# Allegro board 1140022-KU060_PCIE_FIBER_BOARD_V001_pcb166_20240120_1835_pcb.brd (continued)
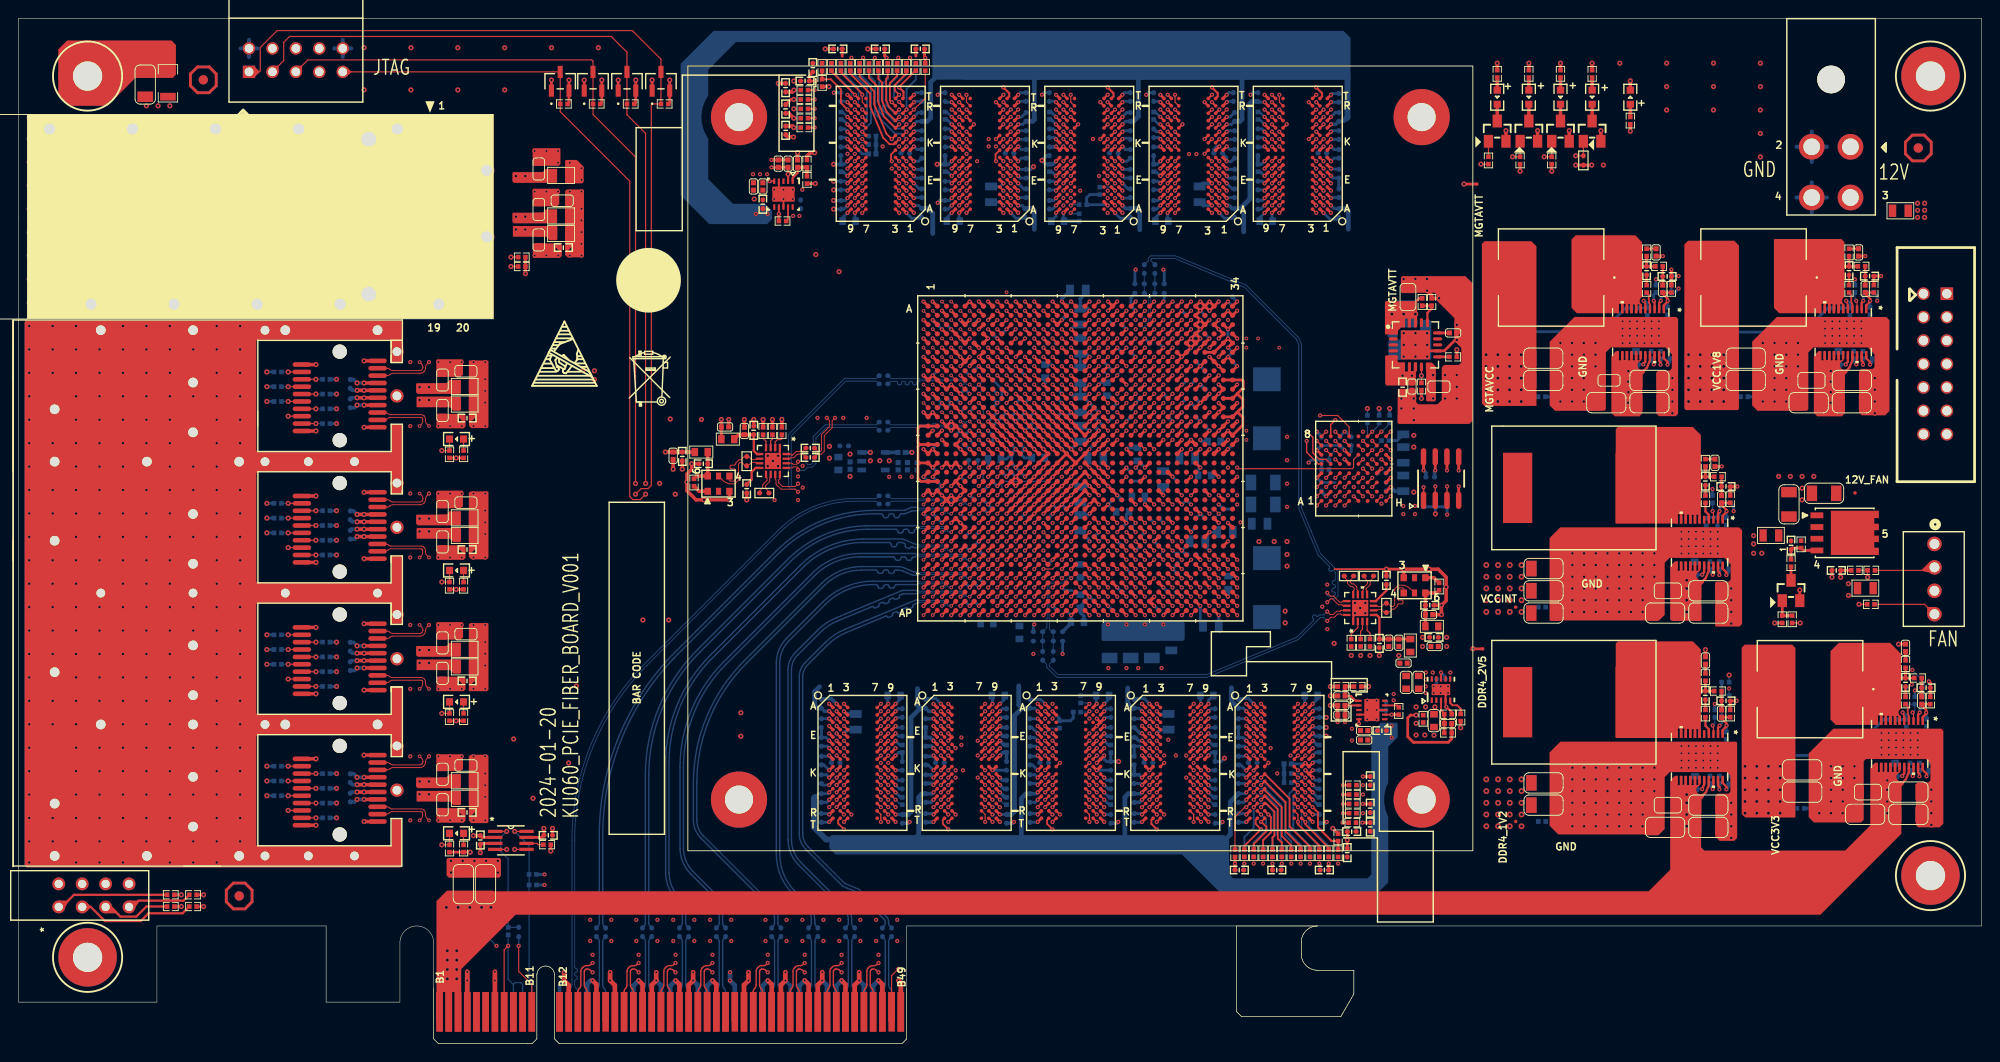
[diagram p0: board, top side]
## Routing (per net, layer and track width the routed paths; a pad name or vN(x,y) marks a point on that pad's centre or on a via; arc(x,y) is an arc through that point) (continued)
  BOTTOM w0.15: C2483.1 93.81,12.7 arc(93.92,12.86) 93.96,13.04 93.96,13.25 arc(93.94,13.35) 93.88,13.43 90.91,16.41 89.36,17.05 85.35,21.06 arc(84.83,21.84) 84.64,22.76 84.64,39.76 arc(84.81,40.61) 85.29,41.32 87.41,43.44 arc(88.45,44.29) 89.64,44.93 97.28,48.1 arc(97.38,48.13) 97.48,48.14
PCIE_VCC3V3: length 20.1
  TOP w0.127: v1(53.09,10.59) 52.65,10.16 U249.B8
  BOTTOM w0.127: R1240.1 v1(53.09,10.59) 53.09,6.97 53.65,6.41 ; 53.65,6.41 U249.A9 ; 53.65,6.41 53.85,6.6 54.5,6.6 54.65,6.45 U249.A10
PCIE_WAKE_N: length 13.4
  TOP w0.127: U154.1 v3(52.92,23)
  BOTTOM w0.127: R1243.2 53.09,12.6 R1240.2 53.09,20.02 52.27,20.83 52.27,22.35 v3(52.92,23)
PCIE_WAKE_N_LS: length 117
  TOP w0.127: U154.4 v3(52.92,21.05)
  TOP w0.155: U1.N23 v1(121.11,68.45)
  ART03 w0.086: v3(52.92,21.05) 54.43,22.56 54.43,64.01 v3(62.43,72.01)
  ART05 w0.086: v1(121.11,68.45) 120.6,68.96 96.14,68.96 93.09,72.01 v3(62.43,72.01)
PCIE_WIDTH_X8: length 52.2
  TOP w0.127: v1(95.39,8.1) 94.65,7.36 U249.B48
  ART10 w0.086: v1(95.39,8.1) 95.39,10.07 94.87,10.59 61.38,10.59 59.6,11.33 52.55,11.33 v1(51.82,10.59)
  BOTTOM w0.127: v1(51.82,10.59) 51.09,11.31 R1238.2
SFP_LED0: length 103.1
  TOP w0.178: U1.AN9 v1(106.11,47.45)
  TOP w0.254: R1260.1 v3(17.65,16.13)
  ART05 w0.178: v1(106.11,47.45) 105.6,47.96 97.16,47.96 96.67,48.16 79.04,48.16 55.83,24.95 52.12,23.41 50.58,21.87 47.55,21.87 46.58,20.9 42.81,20.9 38.82,16.92 18.44,16.92 v3(17.65,16.13)
SFP_LED1: length 101.1
  TOP w0.178: U1.AP9 v1(106.11,46.45)
  TOP w0.254: R1261.1 v3(20.07,14.86)
  ART05 w0.178: v3(20.07,14.86) 39.6,14.86 42.47,17.73 53.59,17.73 82.42,46.56 95.34,46.56 97.55,45.64 105.3,45.64 v1(106.11,46.45)
SFP_LED2: length 103.7
  TOP w0.178: U1.AP8 v1(105.11,46.45)
  TOP w0.254: R1262.1 v3(17.65,14.86)
  ART05 w0.178: v3(17.65,14.86) 18.29,15.49 39.19,15.49 42.87,19.18 53.62,19.18 55.19,20.75 55.19,22.48 79.81,47.09 95.34,47.09 97.98,46 104.66,46 v1(105.11,46.45)
SFP_LED3: length 101.9
  TOP w0.178: U1.AP10 v1(107.11,46.45)
  TOP w0.254: R1263.1 v3(20.07,16.13)
  ART05 w0.178: v1(107.11,46.45) 106.6,46.96 97.13,46.96 95.45,47.65 79.45,47.65 54,22.2 51.92,22.2 51.08,21.36 47.96,21.36 47.02,20.42 43.19,20.42 38.89,16.13 v3(20.07,16.13)
VREG6: length 15.6
  TOP w0.254: U111.18 176.36,73.92 176.14,73.7 v1(176.14,73.64)
  ART03 w0.305: v1(177.51,82.87) 177.69,82.87 179.76,80.8 179.76,75.59 178.74,74.57 176.58,74.57 176.14,74.13 v1(176.14,73.64)
  BOTTOM w0.305: C1216.1 v1(176.14,73.64) ; R610.1 v1(177.51,82.87)
VREG_1: length 15.3
  TOP w0.254: v1(182.52,27.59) 182.74,28.12 U114.18
  ART03 w0.305: v1(183.89,36.82) 184.34,36.82 186.28,34.87 186.28,30.94 184.2,28.85 182.95,28.85 182.52,28.42 v1(182.52,27.59)
  BOTTOM w0.305: v1(182.52,27.59) C1242.1
  BOTTOM w0.381: R637.1 v1(183.89,36.82)
VREG_2: length 17.5
  TOP w0.254: U115.18 198.3,73.92 198.08,73.7 v1(198.08,73.64)
  ART03 w0.305: v1(199.07,82.87) 197.18,80.97 197.18,79.98 197.79,79.38 200.2,79.38 200.81,78.77 200.81,75.51 200.3,75.01 198.73,75.01 198.08,74.36 v1(198.08,73.64)
  BOTTOM w0.305: C1252.1 v1(198.08,73.64)
  BOTTOM w0.381: R645.1 v1(199.07,82.87)
VREG_3: length 16.1
  TOP w0.254: U116.18 204.42,29.29 204.2,29.07 v1(204.2,29)
  ART03 w0.305: v1(205.57,38.29) 206.21,38.29 207.87,36.63 207.87,30.91 206.93,29.97 204.61,29.97 204.2,29.57 v1(204.2,29)
  BOTTOM w0.305: R661.1 v1(205.57,38.29) ; v1(204.2,29) C1262.1
VREG_4: length 17.3
  TOP w0.254: U108.18 182.74,51.11 182.52,50.89 v1(182.52,50.83)
  ART03 w0.305: v1(182.52,50.83) 182.52,51.46 182.82,51.77 184.71,51.77 185.7,52.76 185.7,56.34 185.34,56.69 183.11,56.69 182.68,57.12 182.68,59.11 183.64,60.07 v1(183.64,60.12)
  BOTTOM w0.305: C1190.1 v1(182.52,50.83) ; R587.1 183.63,60.11 v1(183.64,60.12)
N23163314: length 2
  BOTTOM w0.381: R114.2 R113.2 C257.1
N23165016: length 3.7
  TOP w0.229: U8.1 144.95,37.17 144.42,37.7 C243.2
  TOP w0.381: C243.2 R101.2 R103.2
N23165073: length 1.6
  TOP w0.203: U8.9 149.43,36.67 R99.2
N23171960: length 1.5
  TOP w0.127: U3.N9 v1(95.09,26.43)
  BOTTOM w0.127: v1(95.09,26.43) 95.62,25.9 R69.1
N23171980: length 1.5
  TOP w0.305: U3.F9 v1(95.09,32.83)
  BOTTOM w0.305: v1(95.09,32.83) 95.55,32.37 R70.2
N23176531: length 1.5
  TOP w0.155: U4.N9 v1(106.39,26.43)
  BOTTOM w0.127: v1(106.39,26.43) 106.92,25.9 R71.1
N23176551: length 1.5
  TOP w0.305: U4.F9 v1(106.39,32.83)
  BOTTOM w0.381: R72.2 106.85,32.37 v1(106.39,32.83)
N23180885: length 1.5
  TOP w0.155: U5.N9 v1(128.99,26.43)
  BOTTOM w0.155: v1(128.99,26.43) 129.53,25.9 R77.1
N23180905: length 1.5
  TOP w0.305: U5.F9 v1(128.99,32.83)
  BOTTOM w0.305: v1(128.99,32.83) 129.46,32.37 R79.2
N23181582: length 1.5
  TOP w0.305: U7.N9 v1(140.3,26.43)
  BOTTOM w0.305: R109.1 140.83,25.9 v1(140.3,26.43)
N23181602: length 1.5
  TOP w0.305: U7.F9 v1(140.3,32.83)
  BOTTOM w0.305: R111.2 140.76,32.37 v1(140.3,32.83)
N23186587: length 1.5
  TOP w0.155: U6.N9 v1(117.69,26.43)
  BOTTOM w0.305: R76.1 118.22,25.9 v1(117.69,26.43)
N23186607: length 1.5
  TOP w0.305: U6.F9 v1(117.69,32.83)
  BOTTOM w0.305: R78.2 118.16,32.37 v1(117.69,32.83)
N23305495: length 1.3
  TOP w0.127: R179.1 48.25,65.55 DS4.1
N23320159: length 1.8
  TOP w0.381: Q1.3 DS1.2
N23322804: length 3.6
  TOP w0.305: U1.U12 v1(109.11,64.45)
  BOTTOM w0.305: C1.1 v1(109.11,64.45) C3.1 109.06,63.5 L1.2
N23413791: length 1.5
  TOP w0.254: U9.N9 v1(123.78,100.47)
  BOTTOM w0.254: R115.1 123.25,101 v1(123.78,100.47)
N23413831: length 1.5
  TOP w0.381: U9.F9 v1(123.78,94.07)
  BOTTOM w0.305: R116.2 123.31,94.54 v1(123.78,94.07)
N23414482: length 1.5
  TOP w0.201: U10.N9 v1(135.08,100.47)
  BOTTOM w0.254: v1(135.08,100.47) 134.55,101 R117.1
N23414502: length 1.5
  TOP w0.305: U10.F9 v1(135.08,94.07)
  BOTTOM w0.305: R118.2 134.61,94.54 v1(135.08,94.07)
N23419167: length 1.5
  TOP w0.229: U12.N9 v1(112.47,100.47)
  BOTTOM w0.305: R122.1 111.94,101 v1(112.47,100.47)
N23419176: length 1.5
  TOP w0.305: U12.F9 v1(112.47,94.07)
  BOTTOM w0.305: v1(112.47,94.07) 112.01,94.54 R124.2
N23419798: length 1.9
  BOTTOM w0.381: C348.1 R160.2 R159.2
N23421217: length 3.7
  TOP w0.229: U14.1 83.93,93.86 84.46,94.4 C334.2
  TOP w0.381: R150.2 R145.2 C334.2
N23421274: length 1.6
  TOP w0.203: R146.2 83.43,89.38 U14.9
N23421546: length 1.5
  TOP w0.254: U11.N9 v1(89.87,100.47)
  BOTTOM w0.254: v1(89.87,100.47) 89.34,101 R123.1
N23421558: length 1.5
  TOP w0.305: U11.F9 v1(89.87,94.07)
  BOTTOM w0.305: v1(89.87,94.07) 89.4,94.54 R125.2
N23421763: length 1.5
  TOP w0.254: U13.N9 v1(101.17,100.47)
  BOTTOM w0.254: v1(101.17,100.47) 100.64,101 R155.1
N23421783: length 1.5
  TOP w0.155: U13.F9 v1(101.17,94.07)
  BOTTOM w0.305: R157.2 100.7,94.54 v1(101.17,94.07)
N23808049: length 1.4
  TOP w0.155: U1.C29 v1(127.11,78.45)
  BOTTOM w0.155: R59.2 v1(127.11,78.45)
N23808275: length 1.4
  TOP w0.155: U1.J20 v1(118.11,72.45)
  BOTTOM w0.155: R57.1 v1(118.11,72.45)
N23809338: length 1.4
  TOP w0.155: U1.L14 v1(111.11,70.45)
  BOTTOM w0.155: R56.1 v1(111.11,70.45)
N23810094: length 1.4
  TOP w0.155: U1.L10 v1(107.11,69.45)
  BOTTOM w0.155: v1(107.11,69.45) 107.11,69.46 R65.1
N23816746: length 1.4
  TOP w0.155: U1.AA28 v1(126.11,59.45)
  BOTTOM w0.155: R37.2 126.1,59.45 v1(126.11,59.45)
N23867011: length 2.1
  TOP w0.305: U1.A33 v1(131.11,80.45)
  BOTTOM w0.305: R68.1 v1(131.11,80.45) 130.62,79.97 R1283.2
N23867028: length 1.4
  TOP w0.305: U1.A34 v1(132.11,80.45)
  BOTTOM w0.305: R68.2 131.61,80.95 v1(132.11,80.45)
N23894377: length 1.4
  TOP w0.155: U1.J21 v1(119.11,72.45)
  BOTTOM w0.127: R25.1 v1(119.11,72.45)
N23894463: length 1.4
  TOP w0.155: U1.AD13 v1(110.11,56.45)
  BOTTOM w0.127: v1(110.11,56.45) 110.6,56.94 R23.1
N23917644: length 1.4
  TOP w0.155: U1.V24 v1(121.11,62.45)
  BOTTOM w0.155: v1(121.11,62.45) 121.12,62.45 R34.1
N23917846: length 1.4
  TOP w0.155: U1.AA30 v1(127.11,59.45)
  BOTTOM w0.155: R43.1 127.11,59.46 v1(127.11,59.45)
N23941687: length 2.4
  TOP w0.155: U6.E2 v1(111.29,33.63)
  BOTTOM w0.127: v1(111.29,33.63) 111.86,34.19 R73.2
N23941693: length 1.6
  TOP w0.155: U6.B7 v1(116.09,36.03)
  BOTTOM w0.127: R74.1 116,35.94 v1(116.09,36.03)
N23941705: length 1.6
  TOP w0.155: U6.A7 v1(116.09,36.83)
  BOTTOM w0.127: R75.1 115.99,36.93 v1(116.09,36.83)
N23942923: length 1.5
  TOP w0.127: U12.B7 v1(114.07,90.87)
  BOTTOM w0.127: v1(114.07,90.87) 114.16,90.96 R120.1
N23942931: length 1.5
  TOP w0.127: U12.A7 v1(114.07,90.07)
  BOTTOM w0.127: v1(114.07,90.07) 114.17,89.97 R121.1
N23942965: length 2.4
  TOP w0.127: U12.E2 v1(118.87,93.27)
  BOTTOM w0.127: R119.2 117.24,92.87 118.47,92.87 v1(118.87,93.27)
N23968505: length 1.5
  TOP w0.155: U1.AD23 v1(121.11,56.45)
  BOTTOM w0.155: R45.1 120.62,55.96 v1(121.11,56.45)
N23971155: length 1.4
  TOP w0.229: U1.AF19 v1(117.11,54.45)
  BOTTOM w0.155: R46.1 v1(117.11,54.45)
N23979979: length 1.4
  TOP w0.155: U1.A17 v1(114.11,80.45)
  BOTTOM w0.127: v1(114.11,80.45) 113.62,79.97 R58.2
N23983374: length 1.4
  TOP w0.305: U1.A8 v1(105.11,80.45)
  BOTTOM w0.305: v1(105.11,80.45) U1.A8 R66.2
N24009245: length 1.4
  TOP w0.155: U1.AD24 v1(122.11,56.45)
  BOTTOM w0.155: R47.2 v1(122.11,56.45)
N24009981: length 1.4
  TOP w0.155: U1.AP19 v1(117.11,46.45)
  BOTTOM w0.155: R48.2 v1(117.11,46.45)
N24010376: length 1.5
  TOP w0.155: U1.AG26 v1(124.11,53.45)
  BOTTOM w0.155: v1(124.11,53.45) 124.11,53.4 R55.2
N24127214: length 2.7
  TOP w0.254: R881.1 C1188.2
  TOP w0.305: R889.2 C1188.2 182.25,61.46
N24127352: length 2
  TOP w0.254: v1(185.14,50.8) 185.14,51.09 184.74,51.5 U108.22
  BOTTOM w0.254: R581.2 185.4,51.06 v1(185.14,50.8)
N24127394: length 3.9
  TOP w0.254: U108.1 184.74,57.23 185.16,57.65 v1(185.16,57.73) 185.16,57.84 184.62,58.38 C1505.1 R580.2
  BOTTOM w0.254: R584.2 v1(185.16,57.73)
N24127396: length 1.7
  TOP w0.254: U108.21 184.24,51.2 184.38,51.06 v1(184.38,50.8)
  BOTTOM w0.254: R582.2 v1(184.38,50.8)
N24127406: length 1.8
  TOP w0.254: U108.20 183.74,50.91 v1(183.66,50.83)
  BOTTOM w0.254: v1(183.66,50.83) 183.37,51.12 R583.1
N24127447: length 1.1
  TOP w0.254: R585.2 C1188.1
N24179955: length 1.3
  TOP w0.305: C1220.2 U110.15
N24186739: length 3.1
  TOP w0.254: U110.16 152.73,79.23 153.19,79.68 R608.2 R607.2
N24443832: length 2
  TOP w0.254: v1(178.77,73.61) 178.77,73.9 178.36,74.3 U111.22
  BOTTOM w0.254: R602.2 179.02,73.87 v1(178.77,73.61)
N24443868: length 1.7
  TOP w0.254: U111.21 177.86,74.01 178,73.87 v1(178,73.61)
  BOTTOM w0.254: R605.2 v1(178,73.61)
N24443882: length 1.8
  TOP w0.254: v1(177.28,73.64) 177.36,73.72 U111.20
  BOTTOM w0.254: R604.1 176.99,73.92 v1(177.28,73.64)
N24534213: length 5.2
  TOP w0.381: L144.1 C1494.2 C1372.1 X1.6 153.7,48.86 R723.1
N24534304: length 1.7
  TOP w0.381: R723.2 153.45,50.51 X1.1
N24538427: length 6.4
  TOP w0.254: C1377.1 147.52,46.18 147.23,46.47 U129.5
  TOP w0.305: L239.2 C1493.2 C1376.1 C1377.1
N24539124: length 2.5
  TOP w0.254: U129.8 147.13,47.97 148.29,49.12 C1388.2
N24539330: length 2.2
  TOP w0.127: R726.2 144.48,44.4 145.19,45.11 U129.2
N24539481: length 2
  TOP w0.127: U129.3 145.69,44.9 145.49,44.7 R727.2
N24539541: length 2
  TOP w0.127: R728.2 146.51,44.5 146.19,44.82 U129.4
N24541544: length 53.6
  TOP w0.102: U129.14 143.56,47.47 143.46,47.57 143.08,47.57 142.44,48.22 142.23,48.22 v1(141.87,47.86)
  BOTTOM w0.102: v1(141.87,47.86) 142.23,48.22 142.69,48.22 143.04,48.57 143.04,51.22 141.14,53.12 140.11,55.59 139.09,58.06 139.09,75.78 138.78,76.54 133.08,82.24 125.42,85.41 122.74,85.41 122.47,85.14 122.47,84.87 C1380.1
N24541546: length 53.6
  TOP w0.102: v1(141.87,48.87) 142.23,48.51 142.56,48.51 143.2,47.87 143.42,47.87 143.53,47.97 U129.13
  BOTTOM w0.102: v1(141.87,48.87) 141.87,48.61 141.98,48.51 142.57,48.51 142.75,48.69 142.75,48.86 142.65,48.97 142.47,48.97 142.37,49.07 142.37,49.27 142.47,49.37 142.65,49.37 142.75,49.47 142.75,49.68 142.65,49.78 142.52,49.78 142.42,49.88 142.42,50.08 142.52,50.19 142.65,50.19 142.75,50.29 142.75,51.09 142.55,51.29 142.41,51.29 142.33,51.21 142.18,51.21 142.04,51.36 142.04,51.5 142.12,51.58 142.12,51.72 140.89,52.95 138.8,58.01 138.8,75.73 138.53,76.37 132.91,81.99 125.36,85.12 122.86,85.12 122.76,85.01 122.76,84.87 C1382.1
N24541572: length 36.2
  TOP w0.102: U129.16 143.44,46.47 143.34,46.57 143,46.57 142.66,46.23 142.28,46.23 v1(141.87,45.82)
  BOTTOM w0.102: C1378.1 111.45,41.14 111.45,40.81 112.55,39.71 128.85,39.71 138.73,43.8 141.11,46.18 141.51,46.18 v1(141.87,45.82)
N24541574: length 36.3
  TOP w0.102: U129.15 143.36,46.97 143.26,46.87 142.88,46.87 142.53,46.52 142.19,46.52 v1(141.87,46.84)
  BOTTOM w0.102: v1(141.87,46.84) 141.51,46.48 140.99,46.48 140.84,46.33 140.7,46.33 140.56,46.46 140.42,46.46 140.28,46.32 140.28,46.18 140.41,46.04 140.41,45.9 138.57,44.05 128.79,40.01 112.67,40.01 111.75,40.93 111.75,41.14 C1379.1
N24547051: length 10.1
  TOP w0.102: U1.AB6 v2(103.11,58.45)
  BOTTOM w0.084: v2(103.11,58.45) 102.78,58.45 arc(102.73,58.48) 102.7,58.54 102.7,58.77 arc(102.62,58.96) 102.43,59.04 97.6,59.04 97.55,59.09 97.53,59.09
  BOTTOM w0.102: C70.1 94.4,59.24 arc(94.56,59.13) 94.75,59.09 97.53,59.09
N24547053: length 9.8
  TOP w0.102: U1.AB5 v2(102.11,58.45)
  BOTTOM w0.084: 97.53,58.8 97.55,58.8 97.6,58.85 102.43,58.85 arc(102.49,58.83) 102.52,58.77 102.52,58.54 arc(102.49,58.48) 102.43,58.45 v2(102.11,58.45)
  BOTTOM w0.102: 97.53,58.8 94.74,58.8 arc(94.55,58.76) 94.4,58.66 C72.1
N24596381: length 2.1
  TOP w0.155: U2.C6 v1(142.75,64.34)
  BOTTOM w0.127: v1(142.75,64.34) 142.06,63.65 R29.2
N24600214: length 2.9
  TOP w0.155: U2.F7 v1(145.75,65.34)
  BOTTOM w0.127: v1(145.75,65.34) 146.23,65.82 R31.1
N24600788: length 10.6
  TOP w0.305: U2.A6 v1(140.75,64.34) ; U2.D5 v1(143.75,63.34) ; U2.G4 v1(147.75,62.34) ; U2.D6 v1(143.75,64.34) ; U2.H3 v1(148.75,61.34) ; U2.A4 v1(140.75,61.34)
  BOTTOM w0.254: C23.1 142.75,60.84 ; C20.1 C22.1
  BOTTOM w0.305: C23.1 v1(140.75,61.34) ; 144.48,64.15 C21.1
  BOTTOM w0.381: C22.1 v1(140.75,64.34) ; C20.1 v1(143.75,64.34)
N24609613: length 0.7
  TOP w0.155: U1.H27 v1(125.11,73.45)
N24609632: length 0.7
  TOP w0.155: U1.G27 v1(125.11,74.45)
N24657281: length 2.6
  TOP w0.254: C1407.2 79.48,61.16 79.48,61.98 79.92,62.42 U131.8
N24657408: length 2.5
  TOP w0.102: C1395.1 84.99,64.2 84.31,64.2 83.92,63.81 83.79,63.81 83.68,63.92 U131.16
N24657423: length 2.5
  TOP w0.102: U131.15 83.63,63.42 83.74,63.52 84.04,63.52 84.43,63.91 84.99,63.91 C1396.1
N25142150: length 1.4
  TOP w0.381: DS1.1 R9.2
N25143762: length 1.4
  TOP w0.155: U1.AC29 v1(127.11,57.45)
  BOTTOM w0.127: v1(127.11,57.45) 126.62,57.94 R44.2
N25147054: length 1.4
  TOP w0.155: U1.AG27 v1(125.11,53.45)
  BOTTOM w0.155: R54.1 125.52,53.04 v1(125.11,53.45)
N25650779: length 1.4
  TOP w0.381: DS9.1 R626.2
N25650781: length 1.8
  TOP w0.381: Q19.3 DS9.2
N25659786: length 3.7
  TOP w0.203: U117.3 154.2,36.17 154.57,35.81 R670.1
  TOP w0.254: R670.1 C1277.1 R667.2
N25659816: length 1.6
  TOP w0.203: U117.8 v1(154.2,40.23)
  BOTTOM w0.305: C1281.1 154.68,39.76 v1(154.2,40.23)
N25659818: length 2.2
  TOP w0.203: U117.5 155.2,36.93 155.46,36.68 155.96,36.68 156.34,36.3 R664.2
N25669571: length 2
  TOP w0.254: v1(185.14,27.56) 185.14,27.85 184.74,28.25 U114.22
  BOTTOM w0.254: R632.2 185.4,27.82 v1(185.14,27.56)
N25669597: length 1.7
  TOP w0.254: U114.21 184.24,27.96 184.38,27.82 v1(184.38,27.56)
  BOTTOM w0.254: R633.2 v1(184.38,27.56)
N25669599: length 1.8
  TOP w0.254: U114.20 183.74,27.67 v1(183.66,27.59)
  BOTTOM w0.254: R634.1 183.37,27.87 v1(183.66,27.59)
N26123241: length 1.4
  TOP w0.155: U1.AM9 v1(106.11,48.45)
  BOTTOM w0.127: v1(106.11,48.45) 105.6,47.94 R24.1
N26191690: length 1.4
  TOP w0.381: DS2.1 R35.2
N26191701: length 1.8
  TOP w0.381: Q2.3 DS2.2
N26192286: length 1.4
  TOP w0.381: DS3.1 R36.2
N26192301: length 1.8
  TOP w0.381: DS3.2 Q3.3
N26632533: length 1.7
  TOP w0.127: Q19.1 R628.1
N26902768: length 6.6
  TOP w0.127: R251.2 207.37,51.31 J63.2
N26903299: length 6.9
  TOP w0.127: R778.2 206.63,47.62 J63.4
N27279036: length 4.8
  ART12 w0.381: v3(90.14,61.49) 90.14,62.43 91.81,64.09 v3(92.35,64.09)
  BOTTOM w0.381: U329.3 v3(92.35,64.09)
N27384140: length 2
  TOP w0.254: C1505.2 C1506.1 R881.2
N27389672: length 2.7
  TOP w0.254: R894.1 C1522.2
  TOP w0.305: 182.25,38.22 C1522.2 R915.2
N27389694: length 3.9
  TOP w0.254: R631.2 C1524.1 184.62,35.24 185.16,34.71 v1(185.16,34.49) 185.16,34.41 184.74,33.99 U114.1
  BOTTOM w0.254: R892.2 v1(185.16,34.49)
N27389709: length 2
  TOP w0.254: R894.2 C1523.1 C1524.2
N27389809: length 1.1
  TOP w0.254: R895.2 C1522.1
N27394308: length 2.7
  TOP w0.254: C1546.2 R911.1
  TOP w0.305: R926.2 C1546.2 175.87,84.27
N27394322: length 3.9
  TOP w0.254: U111.1 178.36,80.04 178.78,80.46 v1(178.78,80.54) 178.78,80.76 178.24,81.29 C1548.1 R601.1
  BOTTOM w0.254: R910.2 v1(178.78,80.54)
N27394332: length 2
  TOP w0.254: R911.2 C1547.1 C1548.2
N27394426: length 1.1
  TOP w0.254: R919.1 C1546.1
N27588953: length 28.6
  TOP w0.155: U1.AE27 v1(124.11,55.45)
  ART03 w0.086: v1(150.11,57.4) 147.28,54.57 141.5,54.57 136.12,55.64 135.3,55.98 129.9,55.98 129.54,56.34 125.68,56.34 125.22,55.88 124.54,55.88 v1(124.11,55.45)
N27588956: length 29.8
  TOP w0.155: U1.AF27 v1(125.11,54.45)
  ART03 w0.086: v1(151.38,57.4) 151.38,57.05 148.23,53.89 135.87,53.89 135.51,54.26 135.51,54.7 134.88,55.32 130,55.32 129.26,55.02 125.67,55.02 v1(125.11,54.45)
N27588959: length 29.7
  TOP w0.155: U1.AE28 v1(125.11,55.45)
  ART03 w0.086: v1(125.11,55.45) 125.35,55.45 125.96,56.06 129.31,56.06 129.72,55.65 135.24,55.65 136.89,54.97 137.75,54.97 139.46,54.26 147.96,54.26 150.7,57 150.7,57.71 v1(150.11,58.29)
N27588962: length 30.5
  TOP w0.155: U1.AF28 v1(126.11,54.45)
  ART03 w0.086: v1(126.11,54.45) 126.34,54.69 129.14,54.69 129.88,54.99 134.7,54.99 135.13,54.56 135.13,54.05 135.61,53.57 148.56,53.57 151.89,56.9 151.89,57.78 v1(151.38,58.29)
N28454890: length 15.1
  TOP w0.305: 132.11,70.45 132.77,71.11 132.77,71.79 132.61,71.95 U1.J34 U1.J33 ; 132.11,70.45 U1.L34 U1.L33 ; 132.11,70.45 132.72,69.84 132.72,69.06 132.11,68.45 ; U1.N33 U1.N34 132.11,68.45 ; 132.11,68.45 132.16,68.45 132.72,67.89 132.72,67.06 U1.R34 v1(131.11,66.45) U1.R33
  BOTTOM w0.305: U1.R34 v1(131.11,66.45)
N28455491: length 9.8
  TOP w0.305: U1.C33 v1(131.11,77.45) U1.C34 ; U1.F31 U1.F32 U1.E33 v1(131.11,76.45) U1.E34 v1(131.11,75.45) ; U1.G33 v1(131.11,74.45) U1.G34
  BOTTOM w0.305: v1(131.11,75.45) R1258.1 v1(131.11,74.45) ; v1(131.11,77.45) v1(131.11,76.45)
N28455621: length 15.1
  TOP w0.305: 97.7,62.95 97.51,62.76 97.51,61.26 97.82,60.95 U1.Y1 U1.Y2 ; 97.7,62.95 U1.V1 v1(99.11,62.45) U1.V2 ; 97.7,62.95 97.51,63.14 97.51,64.77 97.69,64.95 ; 97.69,64.95 97.51,65.13 97.51,66.73 97.74,66.95 U1.P1 U1.P2 ; 97.69,64.95 U1.T1 U1.T2
  BOTTOM w0.305: v1(99.11,62.45) 99.61,61.95 R1257.1
N28457703: length 1.3
  TOP w0.127: R1009.1 48.25,51.3 DS12.1
N28459318: length 1.3
  TOP w0.127: R1018.1 48.25,37.05 DS13.1
N28465581: length 4
  TOP w0.305: Q8.4 193.51,53.47 R239.2 192.32,53.73 C550.2 R241.1
N28465657: length 2.7
  TOP w0.305: Q9.1 R247.2 R245.1
N28465659: length 1.5
  TOP w0.305: Q9.3 R241.2
N28472948: length 8.4
  BOTTOM w0.15: U249.A16 62.65,5.62 arc(62.69,5.81) 62.8,5.97 62.82,5.99 arc(62.93,6.16) 62.96,6.35 62.96,11.08 arc(62.93,11.27) 62.82,11.43 C2497.2
N28472950: length 8.4
  BOTTOM w0.15: U249.A17 63.65,5.62 arc(63.61,5.81) 63.5,5.97 63.48,5.99 arc(63.37,6.16) 63.34,6.35 63.34,11.08 arc(63.37,11.27) 63.48,11.43 C2496.2
N28472956: length 8.4
  BOTTOM w0.15: U249.A21 67.65,5.62 arc(67.69,5.81) 67.8,5.97 67.82,5.99 arc(67.93,6.16) 67.96,6.35 67.96,11.08 arc(67.93,11.27) 67.82,11.43 C2495.2
N28472958: length 8.4
  BOTTOM w0.15: U249.A22 68.65,5.62 arc(68.61,5.81) 68.5,5.97 68.48,5.99 arc(68.37,6.16) 68.34,6.35 68.34,11.08 arc(68.37,11.27) 68.48,11.43 C2494.2
N28472964: length 8.4
  BOTTOM w0.15: C2493.2 71.82,11.43 arc(71.93,11.27) 71.96,11.08 71.96,6.35 arc(71.93,6.16) 71.82,5.99 71.8,5.97 arc(71.69,5.81) 71.65,5.62 U249.A25
N28472966: length 8.4
  BOTTOM w0.15: U249.A26 72.65,5.62 arc(72.61,5.81) 72.5,5.97 72.48,5.99 arc(72.37,6.16) 72.34,6.35 72.34,11.08 arc(72.37,11.27) 72.48,11.43 C2492.2
N28472972: length 8.4
  BOTTOM w0.15: C2491.2 75.82,11.43 arc(75.93,11.27) 75.96,11.08 75.96,6.35 arc(75.93,6.16) 75.82,5.99 75.8,5.97 arc(75.69,5.81) 75.65,5.62 U249.A29
N28472974: length 8.4
  BOTTOM w0.15: U249.A30 76.65,5.62 arc(76.61,5.81) 76.5,5.97 76.48,5.99 arc(76.37,6.16) 76.34,6.35 76.34,11.08 arc(76.37,11.27) 76.48,11.43 C2490.2
N28472980: length 8.4
  BOTTOM w0.15: C2489.2 81.82,11.43 arc(81.93,11.27) 81.96,11.08 81.96,6.35 arc(81.93,6.16) 81.82,5.99 81.8,5.97 arc(81.69,5.81) 81.65,5.62 U249.A35
N28472982: length 8.4
  BOTTOM w0.15: C2488.2 82.48,11.43 arc(82.37,11.27) 82.34,11.08 82.34,6.35 arc(82.37,6.16) 82.48,5.99 82.5,5.97 arc(82.61,5.81) 82.65,5.62 U249.A36
N28472988: length 8.4
  BOTTOM w0.15: C2487.2 85.82,11.43 arc(85.93,11.27) 85.96,11.08 85.96,6.35 arc(85.93,6.16) 85.82,5.99 85.8,5.97 arc(85.69,5.81) 85.65,5.62 U249.A39
N28472990: length 8.4
  BOTTOM w0.15: C2486.2 86.48,11.43 arc(86.37,11.27) 86.34,11.08 86.34,6.35 arc(86.37,6.16) 86.48,5.99 86.5,5.97 arc(86.61,5.81) 86.65,5.62 U249.A40
N28472996: length 8.4
  BOTTOM w0.15: U249.A43 89.65,5.62 arc(89.69,5.81) 89.8,5.97 89.82,5.99 arc(89.93,6.16) 89.96,6.35 89.96,11.08 arc(89.93,11.27) 89.82,11.43 C2485.2
N28472998: length 8.4
  BOTTOM w0.15: U249.A44 90.65,5.62 arc(90.61,5.81) 90.5,5.97 90.48,5.99 arc(90.37,6.16) 90.34,6.35 90.34,11.08 arc(90.37,11.27) 90.48,11.43 C2484.2
N28473004: length 8.4
  BOTTOM w0.15: C2483.2 93.82,11.43 arc(93.93,11.27) 93.96,11.08 93.96,6.35 arc(93.93,6.16) 93.82,5.99 93.8,5.97 arc(93.69,5.81) 93.65,5.62 U249.A47
N28473006: length 8.4
  BOTTOM w0.15: U249.A48 94.65,5.62 arc(94.61,5.81) 94.5,5.97 94.48,5.99 arc(94.37,6.16) 94.34,6.35 94.34,11.08 arc(94.37,11.27) 94.48,11.43 C2482.2
N28473829: length 1.9
  TOP w0.127: U154.6 56.2,21.7 56.34,21.56 R845.2
N28475155: length 8.7
  TOP w0.127: v1(54.23,10.59) 54.23,7.82 55.65,6.4 U249.B11
  BOTTOM w0.127: R1243.1 v1(54.23,10.59)
N28499917: length 2.7
  TOP w0.254: C1530.2 R899.1
  TOP w0.305: 197.82,84.27 C1530.2 R916.2
N28499931: length 3.9
  TOP w0.254: U115.1 200.3,80.04 200.72,80.46 v1(200.72,80.54) 200.72,80.76 200.19,81.29 C1532.1 R918.1
  BOTTOM w0.254: R898.2 v1(200.72,80.54)
N28499937: length 2
  TOP w0.254: C1532.2 C1531.1 R899.2
N28500031: length 1.1
  TOP w0.254: R1251.1 C1530.1
N28500189: length 2.7
  TOP w0.254: C1538.2 R906.1
  TOP w0.305: 203.94,39.63 C1538.2 R917.2
N28500193: length 2
  TOP w0.254: C1540.2 C1539.1 R906.2
N28500197: length 3.9
  TOP w0.254: R902.1 C1540.1 206.31,36.66 206.79,36.17 v1(206.79,35.9) 206.79,35.77 206.42,35.4 U116.1
  BOTTOM w0.254: R905.2 206.84,35.85 v1(206.79,35.9)
N28500295: length 1.1
  TOP w0.254: R1252.1 C1538.1
N28500649: length 2
  TOP w0.254: U115.22 200.3,74.3 200.71,73.9 v1(200.71,73.61)
  BOTTOM w0.254: R641.2 200.96,73.87 v1(200.71,73.61)
N28500663: length 1.7
  TOP w0.254: U115.21 199.8,74.01 199.95,73.87 v1(199.95,73.61)
  BOTTOM w0.254: R1246.2 v1(199.95,73.61)
N28500665: length 1.8
  TOP w0.254: U115.20 199.3,73.72 v1(199.22,73.64)
  BOTTOM w0.254: v1(199.22,73.64) 198.94,73.92 R638.1
N28500870: length 2
  TOP w0.254: U116.22 206.42,29.67 206.83,29.26 v1(206.83,28.98)
  BOTTOM w0.254: R650.2 207.09,29.23 v1(206.83,28.98)
N28500891: length 1.7
  TOP w0.254: U116.21 205.92,29.38 206.07,29.23 v1(206.07,28.98)
  BOTTOM w0.254: R1253.2 v1(206.07,28.98)
N28500893: length 1.8
  TOP w0.254: U116.20 205.42,29.08 v1(205.34,29)
  BOTTOM w0.254: v1(205.34,29) 205.06,29.29 R652.1
N28540364: length 12.3
  TOP w0.254: R1260.2 6.02,16.13 4.7,14.81 D5.1
N28540367: length 12.9
  TOP w0.254: D5.2 7.84,14.81 9.37,13.28 13.26,13.28 14.1,14.12 17.79,14.12 R1261.2
N28540370: length 7.5
  TOP w0.254: R1262.2 13.87,14.86 12.78,13.77 11.05,13.77 10,14.81 D5.3
N28540373: length 7.1
  TOP w0.254: D5.4 12.35,14.81 13.03,15.49 17.89,15.49 R1263.2
N28541960: length 10.1
  TOP w0.102: U1.K6 v2(103.11,71.45)
  BOTTOM w0.084: v2(103.11,71.45) 102.78,71.45 102.7,71.54 102.7,71.73 102.39,72.05 97.7,72.05 97.65,72.1 97.63,72.1
  BOTTOM w0.102: C80.1 94.56,72.1 97.63,72.1
N28541962: length 11.3
  TOP w0.102: U1.K5 v2(102.11,71.45)
  BOTTOM w0.084: 97.63,71.81 97.65,71.81 97.7,71.86 102.31,71.86 102.52,71.65 102.52,71.54 102.43,71.45 v2(102.11,71.45)
  BOTTOM w0.102: 97.63,71.81 97.45,71.81 97.35,71.7 97.35,71.53 97.25,71.42 97.04,71.42 96.94,71.53 96.94,71.7 96.84,71.81 96.64,71.81 96.53,71.7 96.53,71.53 96.43,71.42 96.23,71.42 96.13,71.53 96.13,71.7 96.03,71.81 95.82,71.81 95.72,71.7 95.72,71.53 95.62,71.42 95.42,71.42 95.32,71.53 95.32,71.7 95.21,71.81 94.52,71.81 C81.1
N28542274: length 10.1
  TOP w0.102: U1.P6 v2(103.11,67.45)
  BOTTOM w0.084: v2(103.11,67.45) 102.78,67.45 102.7,67.37 102.7,67.17 102.39,66.86 98.74,66.86 98.69,66.8 98.67,66.8
  BOTTOM w0.102: 98.67,66.8 94.55,66.8 C78.1
N28542276: length 10
  TOP w0.102: U1.P5 v2(102.11,67.45)
  BOTTOM w0.084: 98.67,67.1 98.69,67.1 98.74,67.04 99.02,67.04 99.1,67.13 99.1,67.18 99.19,67.26 99.36,67.26 99.44,67.18 99.44,67.13 99.52,67.04 102.31,67.04 102.52,67.25 102.52,67.37 102.43,67.45 v2(102.11,67.45)
  BOTTOM w0.102: 98.67,67.1 94.53,67.1 C79.1
